# Altium PCB LAB_B3_209_V1.PcbDoc (part 4 of 4)
Units mm, origin at the board's own origin, x right, y up, seen from the top; angles counter-clockwise.
Board outline 104.65 x 97.92 mm, 6 copper layers (L1-SIG, L2-GND, L3-VCC, L4-SIG, L5-GND, L6-SIG), stack 0.63 mm thick; 372 components, 284 nets, 1235 pads, 998 vias.
Unrouted connection lines stored in the file: 2.
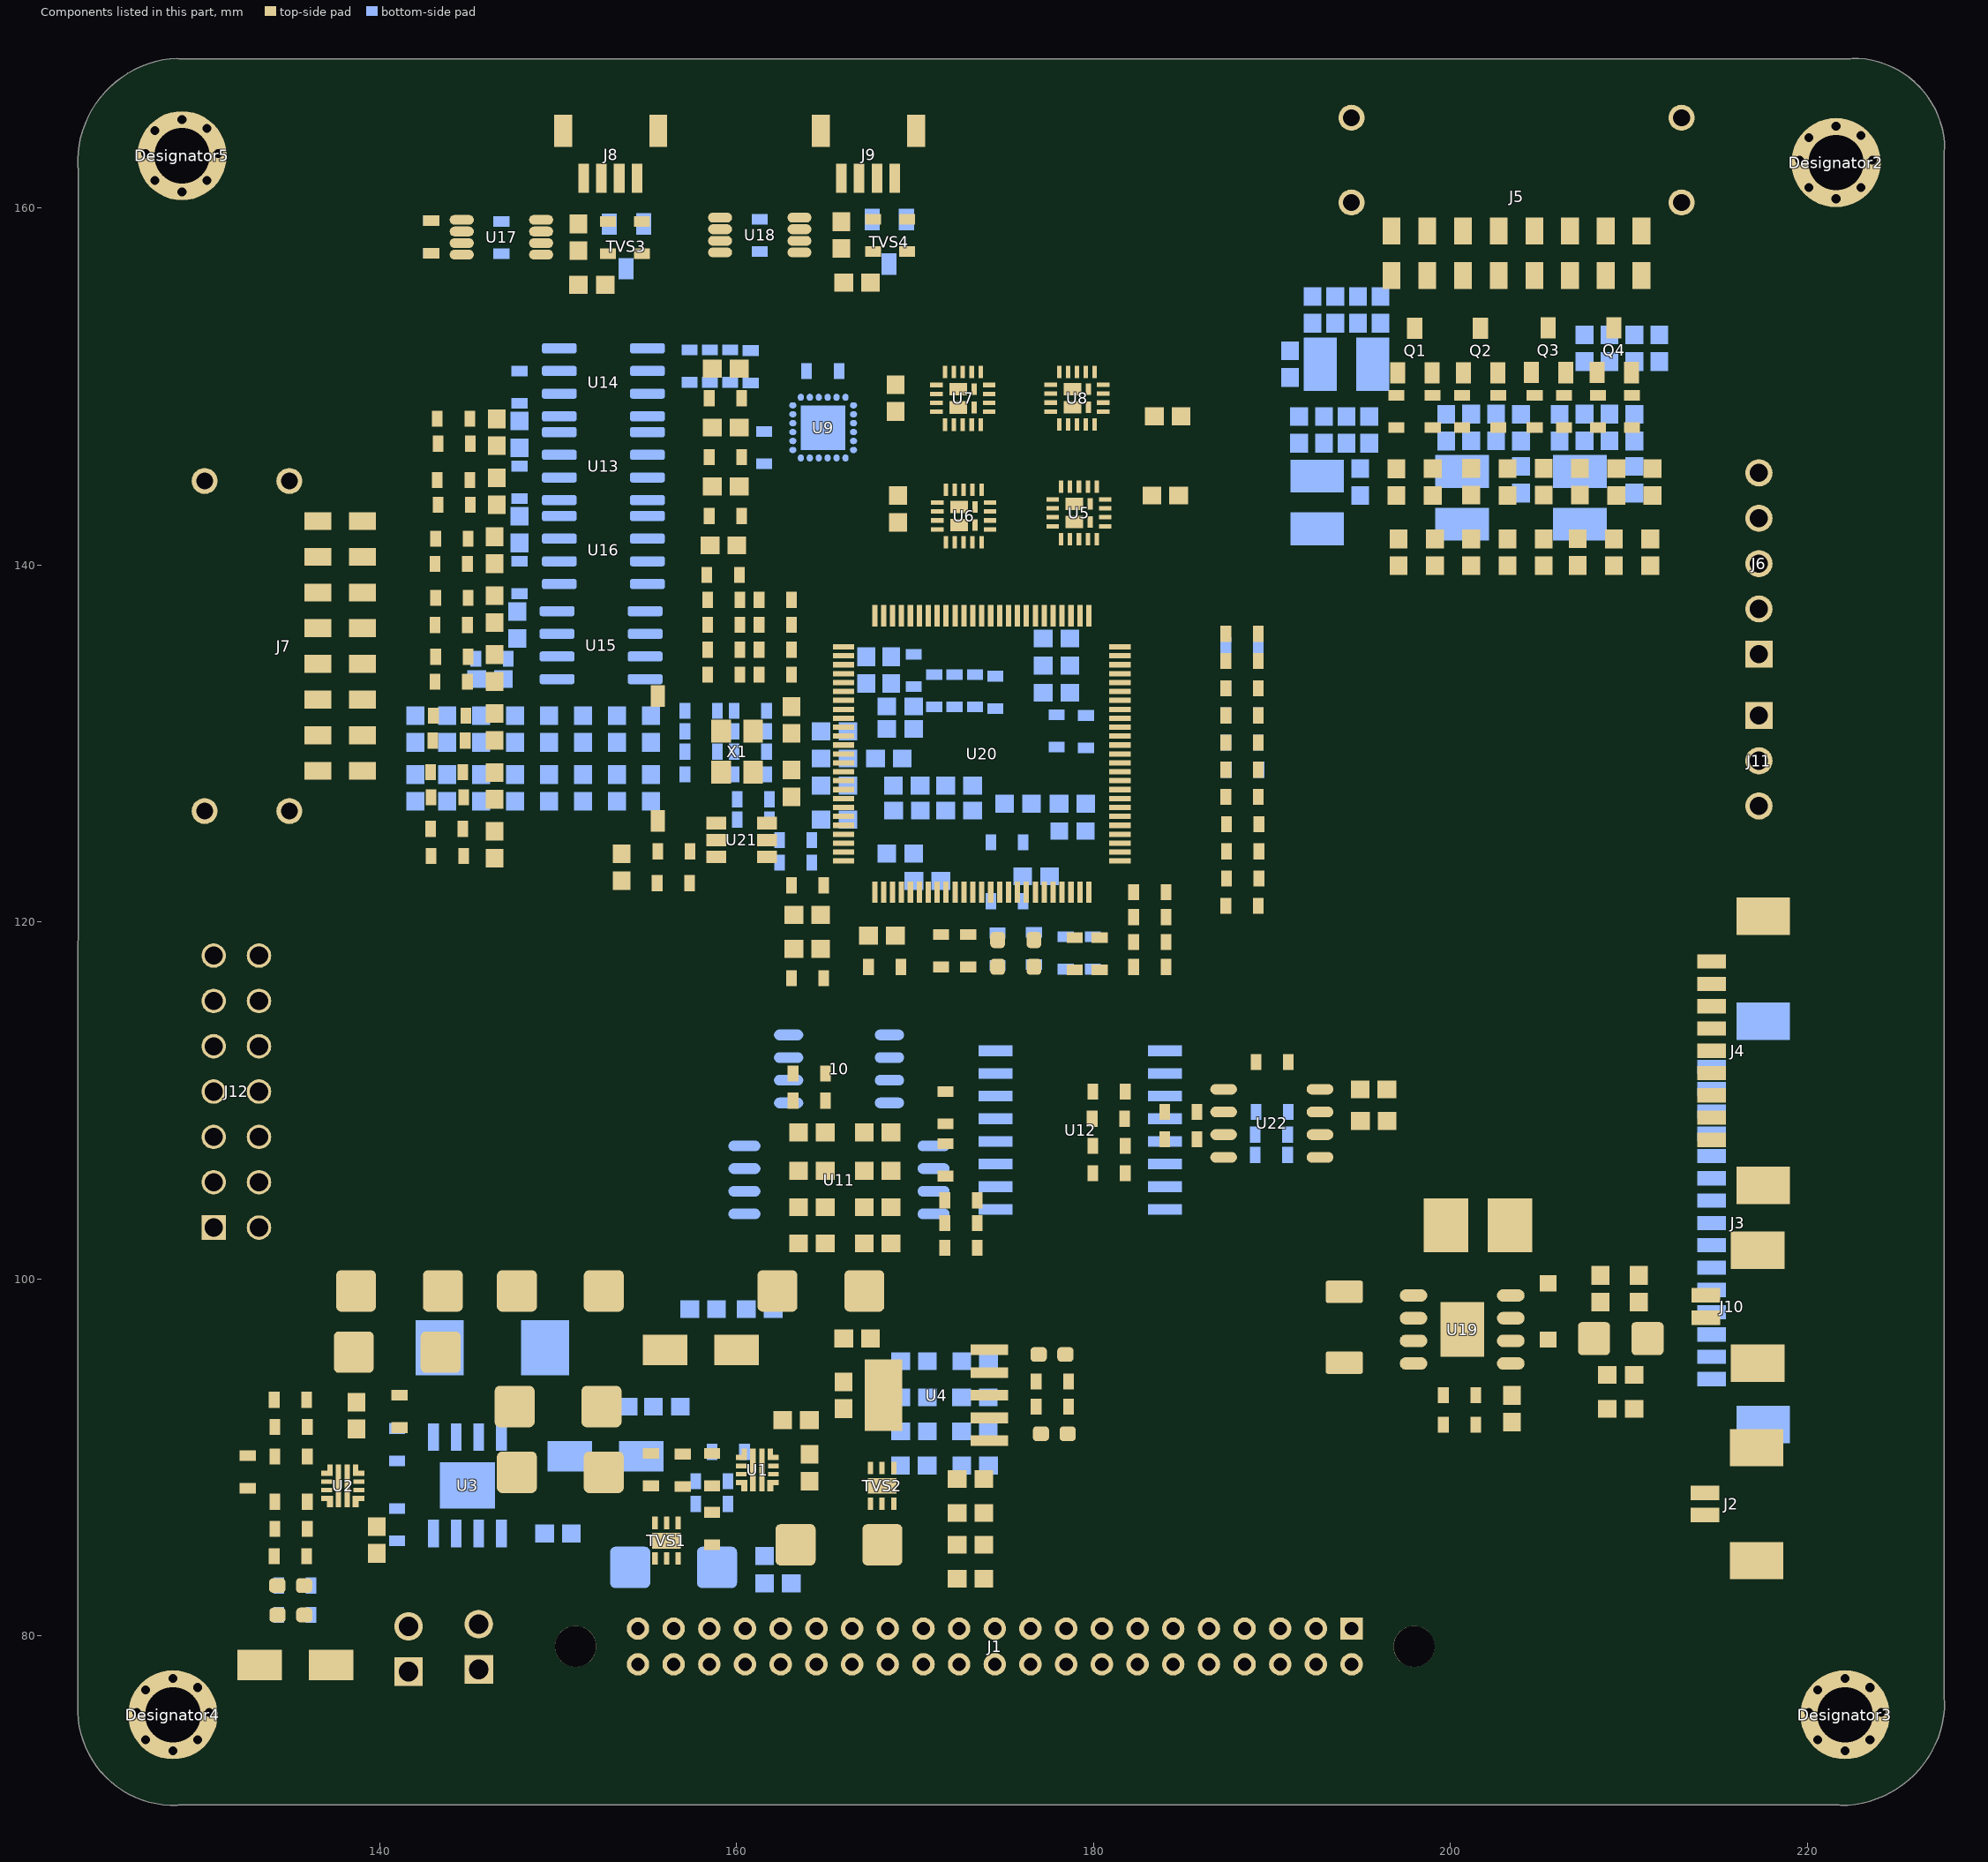
[diagram p8: the components of this part, seen from the top]

## Other copper
L1-SIG:
  region net GND: 155.194,86.741 155.194,84.963 156.972,84.963 156.972,86.741
  region net NTC1+: 173.101,96.393 173.101,94.361 175.26,94.361 175.26,96.393
  region net +5v: 173.101,90.551 169.926,90.551 169.926,91.313 171.196,92.583 173.101,92.583
  region net +5v: 173.101,92.583 175.26,92.583 175.26,90.551 173.101,90.551
  region net GND: 169.036,88.011 166.242,88.011 166.242,88.9 169.036,88.9
  region net +5v: 167.258,87.757 169.036,87.757 169.036,85.852 167.258,85.852
  region net +12V: 151.129,93.472 151.129,91.694 153.542,91.694 153.542,93.472
  region net +12V: 151.129,100.457 153.67,100.457 153.67,98.551 155.193,97.028 157.352,97.028 157.352,94.996 154.812,94.996 153.288,93.472 151.129,93.472
  region net GND: 153.796,79.121 153.796,77.089 159.13,77.089 159.13,79.121
  region net +12V_EXP: 153.796,79.756 153.796,81.153 154.177,81.534 158.876,81.534 159.257,81.153 159.257,79.756
  region net +12V_EXP: 155.193,84.709 156.971,84.709 156.971,83.947 158.408,83.947 158.408,80.01 154.511,80.01 154.511,83.947 155.193,83.947

## Silkscreen, mask and mechanical layers (free items; w line width, h text height)
Mechanical 15:
  lines w0.254: 128.397,71.12 221.869,71.12 ccw(c221.168,76.989) 227.076,76.835 ; 128.905,71.12 cw(c128.588,75.882) 123.825,75.565 123.951,162.447 cw(c129.144,162.447) 129.144,167.64 222.504,167.64 cw(c222.495,162.981) 227.076,163.83 227.076,76.327